# Altium PCB Graviton_11JAN15.PcbDoc (part 2 of 11)
Units mil, origin at the board's own origin, x right, y up, seen from the top; angles counter-clockwise.
Board outline 7874.02 x 7874.02 mil, 10 copper layers (Top Layer, Internal Plane 2, Signal Layer 2, Internal Plane 3, Signal Layer 4, Signal Layer 5, Internal Plane 4, Signal Layer 7, Internal Plane 1, Bottom Layer), stack 78.455 mil thick; 1275 components, 1501 nets, 7937 pads, 1712 vias.
Unrouted connection lines stored in the file: 273.
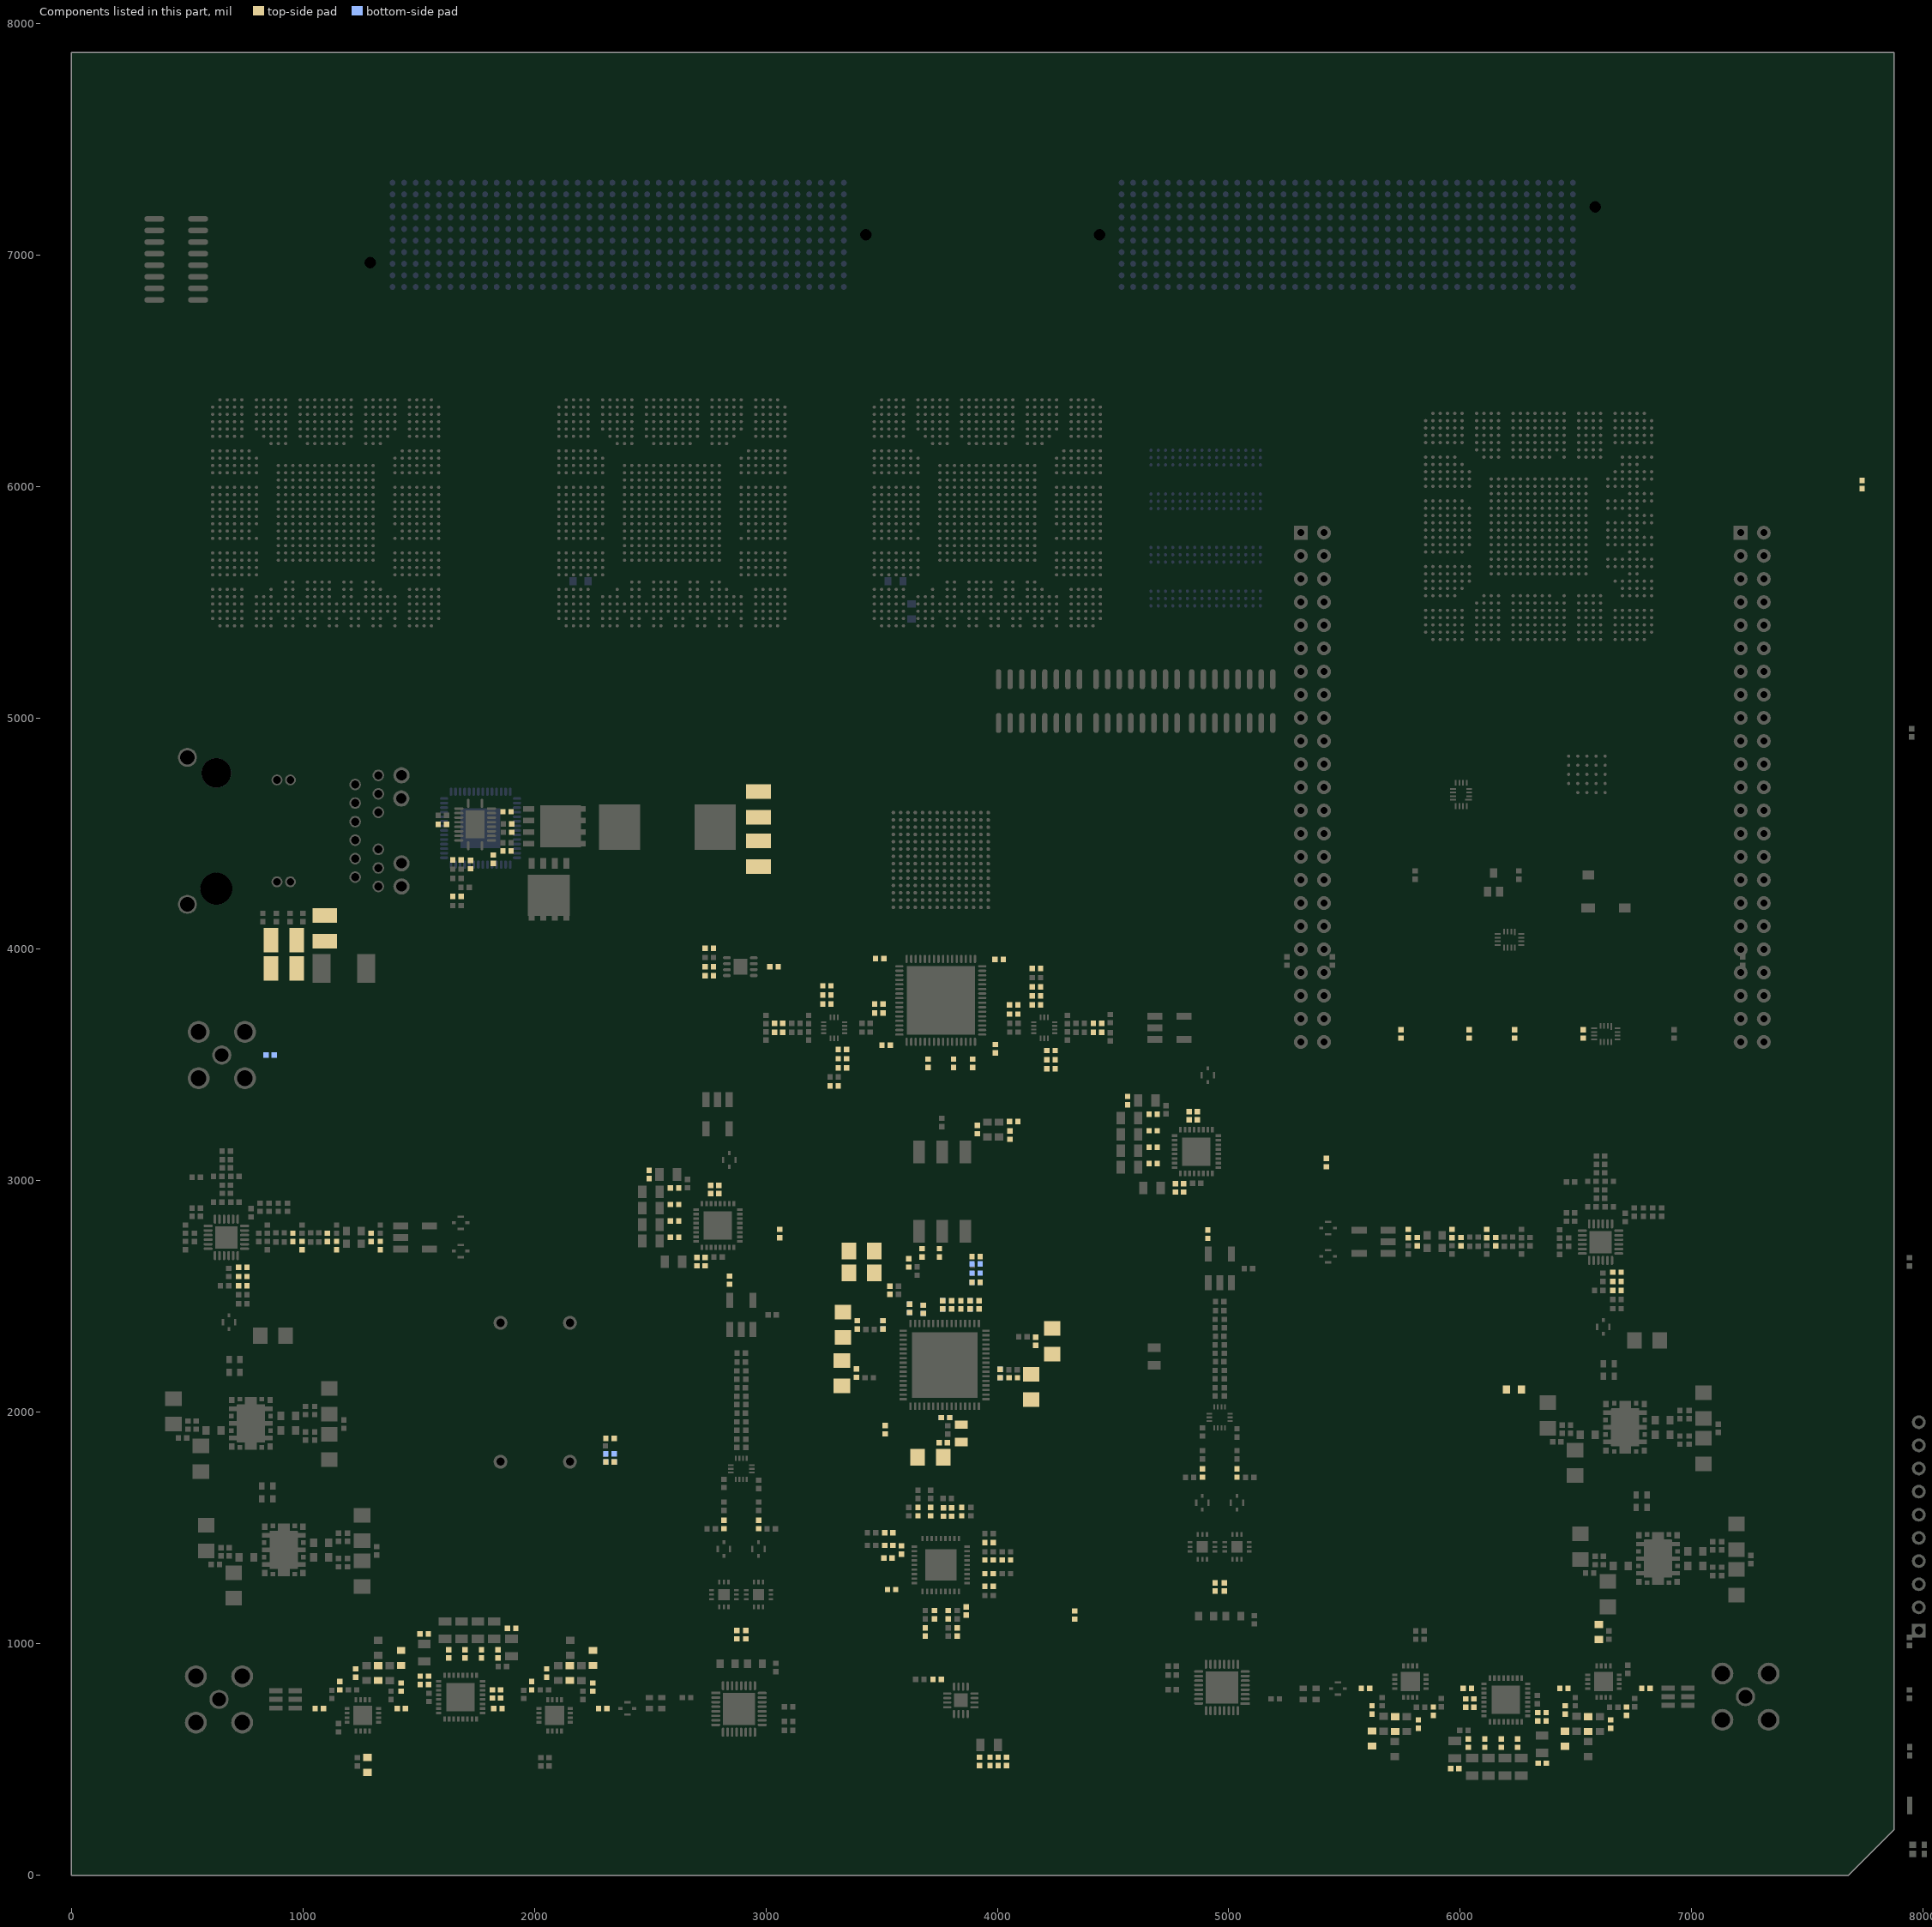
[diagram p9: the components of this part, seen from the top]

## Classes and differential pairs (continued)
differential pair DAC-LVDS.DAC-SYNC: +DAC-LVDS.DAC-SYNC_P -DAC-LVDS.DAC-SYNC_N
differential pair DAC-LVDS.DAC-PARITY: +DAC-LVDS.DAC-PARITY_P -DAC-LVDS.DAC-PARITY_N
differential pair DAC-LVDS.DAC-OSTR: +DAC-LVDS.DAC-OSTR_P -DAC-LVDS.DAC-OSTR_N
differential pair DAC-LVDS.DAC-FRAME: +DAC-LVDS.DAC-FRAME_P -DAC-LVDS.DAC-FRAME_N
differential pair DAC-LVDS.DAC-DCLK: +DAC-LVDS.DAC-DCLK_P -DAC-LVDS.DAC-DCLK_N
differential pair DAC-LVDS.DAC-D15: +DAC-LVDS.DAC-D15_P -DAC-LVDS.DAC-D15_N
differential pair DAC-LVDS.DAC-D14: +DAC-LVDS.DAC-D14_P -DAC-LVDS.DAC-D14_N
differential pair DAC-LVDS.DAC-D13: +DAC-LVDS.DAC-D13_P -DAC-LVDS.DAC-D13_N
differential pair DAC-LVDS.DAC-D12: +DAC-LVDS.DAC-D12_P -DAC-LVDS.DAC-D12_N
differential pair DAC-LVDS.DAC-D11: +DAC-LVDS.DAC-D11_P -DAC-LVDS.DAC-D11_N
differential pair DAC-LVDS.DAC-D10: +DAC-LVDS.DAC-D10_P -DAC-LVDS.DAC-D10_N
differential pair DAC-LVDS.DAC-D9: +DAC-LVDS.DAC-D9_P -DAC-LVDS.DAC-D9_N
differential pair DAC-LVDS.DAC-D8: +DAC-LVDS.DAC-D8_P -DAC-LVDS.DAC-D8_N
differential pair DAC-LVDS.DAC-D7: +DAC-LVDS.DAC-D7_P -DAC-LVDS.DAC-D7_N
differential pair DAC-LVDS.DAC-D6: +DAC-LVDS.DAC-D6_P -DAC-LVDS.DAC-D6_N
differential pair DAC-LVDS.DAC-D5: +DAC-LVDS.DAC-D5_P -DAC-LVDS.DAC-D5_N
differential pair DAC-LVDS.DAC-D4: +DAC-LVDS.DAC-D4_P -DAC-LVDS.DAC-D4_N
differential pair DAC-LVDS.DAC-D3: +DAC-LVDS.DAC-D3_P -DAC-LVDS.DAC-D3_N
differential pair DAC-LVDS.DAC-D2: +DAC-LVDS.DAC-D2_P -DAC-LVDS.DAC-D2_N
differential pair DAC-LVDS.DAC-D1: +DAC-LVDS.DAC-D1_P -DAC-LVDS.DAC-D1_N
differential pair DAC-LVDS.DAC-D0: +DAC-LVDS.DAC-D0_P -DAC-LVDS.DAC-D0_N
differential pair CLKOUT3: +CLKOUT3_P -CLKOUT3_N
differential pair CLIENT-CLK: +CLIENT-CLK_P -CLIENT-CLK_N
differential pair BANK3-DQS32.DQS3: +BANK3-DQS32.DQS3_P -BANK3-DQS32.DQS3_N
differential pair BANK3-DQS32.DQS2: +BANK3-DQS32.DQS2_P -BANK3-DQS32.DQS2_N
differential pair BANK3-DQS32.DQS1: +BANK3-DQS32.DQS1_P -BANK3-DQS32.DQS1_N
differential pair BANK3-DQS32.DQS0: +BANK3-DQS32.DQS0_P -BANK3-DQS32.DQS0_N
differential pair BANK3-DDRCTRL.CLK: +BANK3-DDRCTRL.CLK_P -BANK3-DDRCTRL.CLK_N
differential pair ADC-SYNC: +ADC-SYNC_P -ADC-SYNC_N
differential pair ADC-DCLK: +ADC-DCLK_P -ADC-DCLK_N
differential pair ADC-D15: +ADC-D15_P -ADC-D15_N
differential pair ADC-D14: +ADC-D14_P -ADC-D14_N
differential pair ADC-D13: +ADC-D13_P -ADC-D13_N
differential pair ADC-D12: +ADC-D12_P -ADC-D12_N
differential pair ADC-D11: +ADC-D11_P -ADC-D11_N
differential pair ADC-D10: +ADC-D10_P -ADC-D10_N
differential pair ADC-D9: +ADC-D9_P -ADC-D9_N
differential pair ADC-D8: +ADC-D8_P -ADC-D8_N
differential pair ADC-D7: +ADC-D7_P -ADC-D7_N
differential pair ADC-D6: +ADC-D6_P -ADC-D6_N
differential pair ADC-D5: +ADC-D5_P -ADC-D5_N
differential pair ADC-D4: +ADC-D4_P -ADC-D4_N
differential pair ADC-D3: +ADC-D3_P -ADC-D3_N
differential pair ADC-D2: +ADC-D2_P -ADC-D2_N
differential pair ADC-D1: +ADC-D1_P -ADC-D1_N
differential pair ADC-D0: +ADC-D0_P -ADC-D0_N
differential pair ADC-CLKIN: +ADC-CLKIN_P -ADC-CLKIN_N
differential pair ADC-AMP-B: +ADC-AMP-B_P -ADC-AMP-B_N
differential pair ADC-AMP-A: +ADC-AMP-A_P -ADC-AMP-A_N
differential pair TXLOIC_1: +TXLOIC_1_P -TXLOIC_1_N
differential pair TXLOIC_2: +TXLOIC_2_P -TXLOIC_2_N
differential pair TXBBIC_1: +TXBBIC_1_P -TXBBIC_1_N
differential pair TXBBIC_2: +TXBBIC_2_P -TXBBIC_2_N
differential pair LO-OSC: +LO-OSC_P -LO-OSC_N
differential pair IOUTC: +IOUTC_P -IOUTC_N
differential pair IOUTD: +IOUTD_P -IOUTD_N

## Components (designator, comment, footprint, x,y, rotation, side; value= is the part's Value field where it differs from the comment)
C1 "CAP 0402" 0402 8082.68,6779.72 r90 top
C2 "CAP 0402" 0402 8397.64,5519.88 r90 top
C3 "CAP 0402" 0402 8397.64,5618.31 r90 top
C4 "CAP 0402" 0402 8397.64,5815.16 r90 top
C5 "CAP 0402" 0402 7736.22,6007.87 r90 top
C6 "CAP 0402" 0402 8397.64,6208.86 r90 top
C7 "CAP 0402" 0402 4169.29,3759.84 r0 top
C8 "CAP 0402" 0402 4169.29,3799.21 r0 top
C9 "CAP 0402" 0402 3330.71,3527.56 r180 top
C10 "CAP 0402" 0402 4169.29,3838.58 r0 top
C11 "CAP 0402" 0402 3330.71,3488.19 r180 top
C12 "CAP 0402" 0402 4169.29,3917.32 r180 top
C13 "CAP 0402" 0402 4007.87,3956.69 r180 top
C14 "CAP 0402" 0402 3488.19,3763.78 r0 top
C15 "CAP 0402" 0402 3492.13,3960.63 r0 top
C16 "CAP 0402" 0402 4232.28,3562.99 r180 top
C17 "CAP 0402" 0402 4232.28,3523.62 r180 top
C18 "CAP 0402" 0402 4232.28,3484.25 r180 top
C19 "CAP 0402" 0402 4433.07,3641.73 r180 top
C20 "CAP 0402" 0402 4433.07,3681.1 r180 top
C21 "CAP 0402" 0402 3263.78,3763.78 r0 top
C22 "CAP 0402" 0402 3263.78,3803.15 r0 top
C23 "CAP 0402" 0402 3263.78,3842.52 r0 top
C24 "CAP 0402" 0402 3055.12,3681.1 r0 top
C25 "CAP 0402" 0402 3055.12,3641.73 r0 top
C26 "CAP 0402" 0402 2755.91,3925.2 r0 top
C27 "CAP 0402" 0402 2755.91,4003.94 r180 top
C28 "CAP 0402" 0402 4070.87,3720.47 r180 top
C29 "CAP 0402" 0402 3992.13,3570.87 r90 top
C30 "CAP 0402" 0402 4070.87,3759.84 r180 top
C31 "CAP 0402" 0402 3488.19,3724.41 r0 top
C32 "CAP 0402" 0402 3035.43,3925.2 r180 top
C33 "CAP 0402" 0402 2755.91,3885.83 r0 top
C34 "CAP 0402" 0402 858.27,3543.31 r180 bottom
C35 "CAP 0402" 0402 3908.27,2562.2 r180 top
C36 "CAP 0402" 0402 3908.27,2562.2 r180 bottom
C37 "CAP 0402" 0402 3908.27,2601.57 r180 bottom
C38 "CAP 0402" 0402 3908.27,2640.94 r180 bottom
C39 "CAP 0402" 0402 3908.27,2672.44 r180 top
C40 "CAP 0402" 0402 2326.77,1785.63 r180 top
C41 "CAP 0402" 0402 2326.77,1785.63 r180 bottom
C42 "CAP 0402" 0402 2326.77,1821.06 r180 bottom
C43 "CAP 0402" 0402 2326.77,1887.99 r180 top
C44 "CAP 0402" 0402 4012.01,2167.32 r90 top
C45 "CAP 0402" 0402 4012.01,2167.32 r90 bottom
C46 "CAP 0402" 0402 4068.9,2149.61 r0 top
C47 "CAP 0402" 1206 4145.67,2109.25 r90 top
C48 "GRM155R71A104KA01J" CAPC1005X56N 8122.05,-31.5 r90 top
C49 "CAP 0402" 0402 3842.52,2464.57 r90 top
C50 "CAP 0402" 0402 3803.15,2464.57 r90 top
C51 "CAP 0402" 0402 3881.89,2464.57 r270 top
C52 "CAP 0402" 0402 3881.89,2464.57 r270 bottom
C53 "CAP 0402" 0402 4165.55,2307.09 r90 top
C54 "CAP 0402" 1206 4236.42,2307.09 r90 top
C55A "CAP 0402" 0402 14723.94,3877.35 r90 top (schematic designator C55)
C55B "CAP 0402" 0402 12172.75,3222.03 r90 top (schematic designator C55)
C56 "CAP 0402" 0402 3675.2,2688.98 r90 top
C57 "CAP 0402" 0402 3620.87,2448.82 r270 top
C58 "CAP 0402" 0402 3620.87,2448.82 r270 bottom
C59 "CAP 0402" 0402 3535.43,2527.56 r90 top
C60 "CAP 0402" 1206 3413.39,2602.36 r0 top
C61A "CAP 0402" 0402 15074.35,3877.35 r90 top (schematic designator C61)
C61B "CAP 0402" 0402 12523.17,3222.03 r90 top (schematic designator C61)
C62 "CAP 0402" 0402 3750,2688.98 r270 top
C63 "CAP 0402" 0402 3681.1,2444.88 r270 top
C64 "CAP 0402" 0402 3681.1,2444.88 r270 bottom
C65 "CAP 0402" 0402 3618.11,2645.67 r270 top
C66 "CAP 0402" 1206 3413.39,2696.85 r0 top
C67 "CAP 0402" 0402 3921.26,2464.57 r90 top
C68 "CAP 0402" 0402 3505.71,2377.95 r270 top
C69 "CAP 0402" 0402 3505.71,2377.95 r270 bottom
C70 "CAP 0402" 0402 3395.47,2377.95 r270 top
C71 "CAP 0402" 1206 3332.48,2377.95 r270 top
C72A "CAP 0402" 0402 4940.94,1245.67 r90 top (schematic designator C72)
C72B "CAP 0402" 0402 2874.02,1039.37 r90 top (schematic designator C72)
C73 "CAP 0402" 0402 3763.78,2464.57 r270 top
C74 "CAP 0402" 0402 3763.78,2464.57 r270 bottom
C75 "CAP 0402" 0402 3391.54,2169.29 r270 top
C76 "CAP 0402" 1206 3328.54,2169.29 r270 top
C77A "CAP 0402" 0402 4980.32,1245.67 r90 top (schematic designator C77)
C77B "CAP 0402" 0402 2913.39,1039.37 r90 top (schematic designator C77)
C78 "CAP 10UF 0805" 0805 3844.49,1909.45 r90 top
C79 "CAP 0402" 0402 3515.75,1925.2 r90 top
C80 "CAP 0402" 0402 3776.57,1977.17 r0 top
C81 "CAP 0402" 0402 3776.57,1977.17 r0 bottom
C82 "CAP 0402" 0402 3766.73,1868.9 r0 top
C83 "CAP 0402" 1206 3710.63,1806.1 r0 top
C84A "CAP 0402" 0402 4885.83,1737.99 r270 top (schematic designator C84)
C84B "CAP 0402" 0402 2818.9,1515.75 r270 top (schematic designator C84)
C85 "CAP 0402" 0402 4070.87,3256.69 r0 top
C86 "CAP 0402" 0402 4055.12,3197.64 r90 top
C87 "CAP 0402" 0402 3913.39,3221.26 r90 top
C88 "CAP 0402" 1206 -1009.54,3074.02 r0 top
C89 "CAP 0402" 1206 -1009.54,2877.17 r0 top
C90 "CAP 0402" 0402 -989.86,3802.37 r0 top
C91 "CAP 0402" 0402 -911.12,4451.98 r0 top
C92 "CAP 0402" 0402 -911.12,4255.13 r0 top
C93 "CAP 0402" 0402 -911.12,4058.28 r0 top
C94 "CAP 0402" 0402 -1045.08,3818.9 r0 top
C95 "CAP 0402" 0402 -1045.08,3622.05 r0 top
C96 "CAP 0402" 0402 -989.86,4392.92 r0 top
C97 "CAP 0402" 0402 -989.86,4196.07 r0 top
C98 "CAP 0402" 0402 -1084.45,3858.27 r0 top
C99 "CAP 0402" 0402 -1084.45,3661.42 r0 top
C100 "CAP 0402" 0402 -1068.6,4255.13 r0 top
C101 "CAP 0402" 0402 -1068.6,3959.85 r0 top
C102 "CAP 0402" 0402 -1068.6,3664.57 r0 top
C103 "CAP 0402" 0402 -1045.08,4311.02 r0 top
C104 "CAP 0402" 0402 -1281.3,4507.87 r0 top
C105 "CAP 0402" 0402 -1281.3,4212.6 r0 top
C106 "CAP 0402" 0402 -1281.3,3917.32 r0 top
C107 "CAP 0402" 0402 -1281.3,3622.05 r0 top
C108 "CAP 0402" 0402 -1107.97,4373.24 r0 top
C109 "CAP 0402" 0402 -1107.97,4077.96 r0 top
C110 "CAP 0402" 0402 6530.72,3634.74 r270 top
C111 "CAP 0402" 0402 6235.44,3634.74 r270 top
C112 "CAP 0402" 0402 6038.59,3634.74 r270 top
C113 "CAP 0402" 0402 5743.31,3634.74 r270 top
C114 "CAP 0402" 0402 10476.38,9549.41 r90 top
C115 "GRM155R71A104KA01J" CAPC1005X56N 7799.21,9313.19 r90 top
C116 "GRM155R71A104KA01J" CAPC1005X56N 8094.49,9313.19 r90 top
C117 "GRM155R71A104KA01J" CAPC1005X56N 7484.25,9588.78 r90 top
C118 "GRM155R71A104KA01J" CAPC1005X56N 7681.1,9588.78 r90 top
C119 "GRM155R71A104KA01J" CAPC1005X56N 7976.38,9588.78 r90 top
C120 "GRM155R71A104KA01J" CAPC1005X56N 7681.1,9313.19 r90 top
C121 "GRM155R71A104KA01J" CAPC1005X56N 7976.38,9313.19 r90 top
C122 "GRM155R71A104KA01J" CAPC1005X56N 7267.72,9588.78 r90 top
C123 "GRM155R71A104KA01J" CAPC1005X56N 7562.99,9588.78 r90 top
C124 "GRM155R71A104KA01J" CAPC1005X56N 7858.27,9588.78 r90 top
C125 "GRM155R71A104KA01J" CAPC1005X56N 8153.54,9588.78 r90 top
C126 "10uF, 10V" 0805 10653.54,9470.67 r90 top
C127 "GRM155R71A104KA01J" CAPC1005X56N 7366.14,9195.08 r90 top
C128 "GRM155R71A104KA01J" CAPC1005X56N 7661.42,9195.08 r90 top
C129 "GRM155R71A104KA01J" CAPC1005X56N 7956.69,9195.08 r90 top
C130 "GRM155R71A104KA01J" CAPC1005X56N 8251.97,9195.08 r90 top
C131 "GRM155R71A104KA01J" CAPC1005X56N 7467.72,9181 r90 top
C132 "10uF, 10V" 0805 10456.69,9470.67 r90 top
C133 "GRM155R71A104KA01J" CAPC1005X56N 7881.11,9203.83 r90 top
C134 "GRM155R71A104KA01J" CAPC1005X56N 8176.39,9203.83 r90 top
C135 "GRM155R71A104KA01J" CAPC1005X56N 7546.46,9394.39 r90 top
C136 "CAP 0402" 0402 7290.56,9203.83 r90 top
C137 "CAP 0402" 0402 7585.83,9203.83 r90 top
C138 "GRM155R71A104KA01J" CAPC1005X56N 7841.74,9394.39 r90 top
C139 "GRM155R71A104KA01J" CAPC1005X56N 8137.01,9394.39 r90 top
C140 "GRM155R71A104KA01J" CAPC1005X56N 7467.72,9512.5 r90 top
C141 "GRM155R71A104KA01J" CAPC1005X56N 7763,9512.5 r90 top
C142 "GRM155R71A104KA01J" CAPC1005X56N 7959.85,9512.5 r90 top
C143 "GRM155R71A104KA01J" CAPC1005X56N 8255.13,9512.5 r90 top
C144 "GRM155R71A104KA01J" CAPC1005X56N 7307.09,9510.04 r90 top
C145 "GRM155R71A104KA01J" CAPC1005X56N 7602.36,9510.04 r90 top
C146 "GRM155R71A104KA01J" CAPC1005X56N 7897.64,9510.04 r90 top
C147 "GRM155R71A104KA01J" CAPC1005X56N 8094.49,9510.04 r90 top
C148 "GRM155R71A104KA01J" CAPC1005X56N 7622.05,9431.3 r90 top
C149 "10uF, 10V" 0805 8232.28,9391.93 r90 top
C150 "GRM155R71A104KA01J" CAPC1005X56N 7917.32,9431.3 r90 top
C151 "GRM155R71A104KA01J" CAPC1005X56N 8212.6,9431.3 r90 top
C152 "GRM155R71A104KA01J" CAPC1005X56N 7388.98,9417.22 r90 top
C153 "GRM155R71A104KA01J" CAPC1005X56N 7740.16,9391.93 r90 top
C154A "CAP 0402" 0402 5035.43,1737.99 r270 top (schematic designator C154)
C154B "CAP 0402" 0402 2968.5,1515.75 r270 top (schematic designator C154)
C155 "10uF, 10V" 0805 8035.43,9391.93 r90 top
C156 "1uF" 0402 8441.72,4935.34 r90 top
C157 "1uF" 0402 8737,4935.34 r90 top
C158 "100nF" 0402 9032.28,4935.34 r90 top
C159 "100nF" 0402 9327.55,4935.34 r90 top
C160 "GRM155R71A104KA01J" CAPC1005X56N 9425.98,1588.88 r90 top
C161 "GRM188R71A225KE15D" CAPC1608X90N 8048.02,1588.88 r90 top
C162 "GRM155R71A104KA01J" CAPC1005X56N 8244.87,1588.88 r90 top
C163 "GRM155R71A104KA01J" CAPC1005X56N 8540.15,1588.88 r90 top
C164 "GRM155R71A104KA01J" CAPC1005X56N 8835.43,1588.88 r90 top
C165 "GRM155R71A104KA01J" CAPC1005X56N 9130.7,1588.88 r90 top
C166 "GRM188R71A225KE15D" CAPC1608X90N 8048.02,2081.01 r90 top
C167 "GRM155R71A104KA01J" CAPC1005X56N 8244.87,2179.43 r90 top
C168 "GRM155R71A104KA01J" CAPC1005X56N 8540.15,2179.43 r90 top
C169 "GRM155R71A104KA01J" CAPC1005X56N 8835.43,2179.43 r90 top
C170A "CAP 0402" 0402 6802.17,807.09 r0 top (schematic designator C170)
C170B "CAP 0402" 0402 1070.87,720.47 r180 top (schematic designator C170)
C171 "CAP 0402" 0402 11099.21,2474.71 r90 top
C172 "CAP 0402" 0402 11296.06,2474.71 r90 top
C173 "GRM188R71A225KE15D" CAPC1608X90N 8048.02,2474.71 r90 top
C174 "GRM188R71A225KE15D" CAPC1608X90N 8244.87,2474.71 r90 top
C175 "GRM188R71A225KE15D" CAPC1608X90N 8540.15,2474.71 r90 top
C176 "GRM155R71A104KA01J" CAPC1005X56N 8835.43,2474.71 r90 top
C177 "GRM155R71A104KA01J" CAPC1005X56N 9130.7,2474.71 r90 top
C178 "GRM155R71A104KA01J" CAPC1005X56N 9425.98,2474.71 r90 top
C179 "GRM155R71A104KA01J" CAPC1005X56N 9721.25,2474.71 r90 top
C180 "GRM155R71A104KA01J" CAPC1005X56N 9918.1,2474.71 r90 top
C181 "GRM155R71A104KA01J" CAPC1005X56N 10213.38,2474.71 r90 top
C182 "GRM155R71A104KA01J" CAPC1005X56N 10508.65,2474.71 r90 top
C183 "GRM155R71A104KA01J" CAPC1005X56N 10803.93,2474.71 r90 top
C184 "CAP 0402" 0402 3330.71,3566.93 r180 top
C185 "CAP 0402" 0402 3295.28,3409.45 r180 top
C186 "CAP 0402" 0402 3700.79,3507.87 r90 top
C187 "CAP 0402" 0402 3811.02,3507.87 r90 top
C188 "CAP 0402" 0402 3519.69,3586.61 r0 top
C189 "CAP 0402" 0402 3893.7,3507.87 r90 top
C194A "100nF" 0402 6354.33,484.25 r180 top (schematic designator C194)
C194B "100nF" 0402 5421.26,3078.74 r90 top (schematic designator C194)
C194C "100nF" 0402 1523.62,1043.31 r0 top (schematic designator C194)
C194D "100nF" 0402 3059.84,2772.64 r90 top (schematic designator C194)
C195A "1uF" 0402 6371.06,685.04 r90 top (schematic designator C195)
C195B "1uF" 0402 4787.4,2951.77 r0 top (schematic designator C195)
C195C "1uF" 0402 1506.89,842.52 r270 top (schematic designator C195)
C195D "1uF" 0402 2720.08,2632.87 r0 top (schematic designator C195)
C196A "100nF" 0402 6334.65,685.04 r90 top (schematic designator C196)
C196B "100nF" 0402 4787.4,2988.19 r0 top (schematic designator C196)
C196C "100nF" 0402 1543.31,842.52 r270 top (schematic designator C196)
C196D "100nF" 0402 2720.08,2669.29 r0 top (schematic designator C196)
C197A "100nF" 0402 6059.06,744.09 r90 top (schematic designator C197)
C197B "100nF" 0402 4846.46,3263.78 r0 top (schematic designator C197)
C197C "100nF" 0402 1818.9,783.46 r270 top (schematic designator C197)
C197D "100nF" 0402 2779.13,2944.88 r0 top (schematic designator C197)
C198A "1uF" 0402 6023.62,744.09 r90 top (schematic designator C198)
C198B "1uF" 0402 4846.46,3299.21 r0 top (schematic designator C198)
C198C "1uF" 0402 1854.33,783.46 r270 top (schematic designator C198)
C198D "1uF" 0402 2779.13,2980.31 r0 top (schematic designator C198)
C199A "100nF" 0402 5976.38,460.63 r0 top (schematic designator C199)
C199B "100nF" 0402 4562.99,3346.46 r270 top (schematic designator C199)
C199C "100nF" 0402 1901.57,1066.93 r180 top (schematic designator C199)
C199D "100nF" 0402 2495.67,3027.56 r270 top (schematic designator C199)
C200A "CAP 0402" 0402 6248.03,570.87 r90 top (schematic designator C200)
C200B "CAP 0402" 0402 4673.23,3074.8 r0 top (schematic designator C200)
C200C "CAP 0402" 0402 1629.92,956.69 r270 top (schematic designator C200)
C200D "CAP 0402" 0402 2605.91,2755.91 r0 top (schematic designator C200)
C201A "CAP 0402" 0402 6177.17,570.87 r90 top (schematic designator C201)
C201B "CAP 0402" 0402 4673.23,3145.67 r0 top (schematic designator C201)
C201C "CAP 0402" 0402 1700.79,956.69 r270 top (schematic designator C201)
C201D "CAP 0402" 0402 2605.91,2826.77 r0 top (schematic designator C201)
C202A "CAP 0402" 0402 6106.3,570.87 r90 top (schematic designator C202)
C202B "CAP 0402" 0402 4673.23,3216.54 r0 top (schematic designator C202)
C202C "CAP 0402" 0402 1771.65,956.69 r270 top (schematic designator C202)
C202D "CAP 0402" 0402 2605.91,2897.64 r0 top (schematic designator C202)
C203A "CAP 0402" 0402 6035.43,570.87 r90 top (schematic designator C203)
C203B "CAP 0402" 0402 4673.23,3287.4 r0 top (schematic designator C203)
C203C "CAP 0402" 0402 1842.52,956.69 r270 top (schematic designator C203)
C203D "CAP 0402" 0402 2605.91,2968.5 r0 top (schematic designator C203)
C204 "CAP 0402" 0402 5675.39,12230.61 r0 top
C205 "CAP 0402" 0402 5675.39,11935.34 r0 top
C206 "CAP 0402" 0402 5675.39,11640.06 r0 top
C207 "CAP 0402" 0402 5675.39,11344.79 r0 top
C208 "CAP 0402" 0402 5675.39,11049.51 r0 top
C209 "CAP 0402" 0402 5675.39,10754.24 r0 top
C210 "CAP 0402" 0402 6204.72,10065.26 r0 top
C211 "CAP 0402" 1206 5909.45,11246.36 r0 top
C212 "CAP 0402" 1206 5909.45,11049.51 r0 top
C213 "CAP 0402" 0402 6007.87,10754.24 r0 top
C214 "CAP 0402" 0402 6007.87,10458.96 r0 top
C215 "CAP 0402" 0402 5909.45,12427.46 r0 top
C216 "CAP 0402" 0402 5909.45,12230.61 r0 top
C217 "CAP 0402" 0402 5909.45,11935.34 r0 top
C218 "CAP 0402" 0402 5909.45,11640.06 r0 top
C219 "CAP 0402" 0402 6204.72,11246.36 r0 top
C220 "CAP 0402" 1206 6303.15,12919.59 r0 top
C221 "CAP 0402" 1206 6303.15,12624.32 r0 top
C222 "CAP 0402" 0402 6401.57,12427.46 r0 top
C223 "CAP 0402" 0402 6401.57,12132.19 r0 top
C224 "CAP 0402" 0402 6106.3,12525.89 r0 top
C225 "CAP 0402" 0402 6106.3,12230.61 r0 top
C226A "GRM155R71A104KA01J" CAPC1005X56N 9918.1,19305.42 r90 top (schematic designator C226)
C226B "GRM155R71A104KA01J" CAPC1005X56N 10016.53,23340.85 r90 top (schematic designator C226)
C226C "GRM155R71A104KA01J" CAPC1005X56N 10016.53,24718.8 r90 top (schematic designator C226)
C227A "GRM188R71A225KE15D" CAPC1608X90N 8048.02,19206.99 r90 top (schematic designator C227)
C227B "GRM188R71A225KE15D" CAPC1608X90N 8048.02,23340.85 r90 top (schematic designator C227)
C227C "GRM188R71A225KE15D" CAPC1608X90N 8048.02,24620.38 r90 top (schematic designator C227)
C228A "GRM155R71A104KA01J" CAPC1005X56N 8343.3,19305.42 r90 top (schematic designator C228)
C228B "GRM155R71A104KA01J" CAPC1005X56N 8441.72,23340.85 r90 top (schematic designator C228)
C228C "GRM155R71A104KA01J" CAPC1005X56N 8441.72,24718.8 r90 top (schematic designator C228)
C229A "GRM155R71A104KA01J" CAPC1005X56N 8737,19305.42 r90 top (schematic designator C229)
C229B "GRM155R71A104KA01J" CAPC1005X56N 8835.43,23340.85 r90 top (schematic designator C229)
C229C "GRM155R71A104KA01J" CAPC1005X56N 8835.43,24718.8 r90 top (schematic designator C229)
C230A "GRM155R71A104KA01J" CAPC1005X56N 9130.7,19305.42 r90 top (schematic designator C230)
C230B "GRM155R71A104KA01J" CAPC1005X56N 9229.13,23340.85 r90 top (schematic designator C230)